# KiCad board accelerator.kicad_pcb
title: accelerator; date: 2024-06-08; rev: v1.0.0
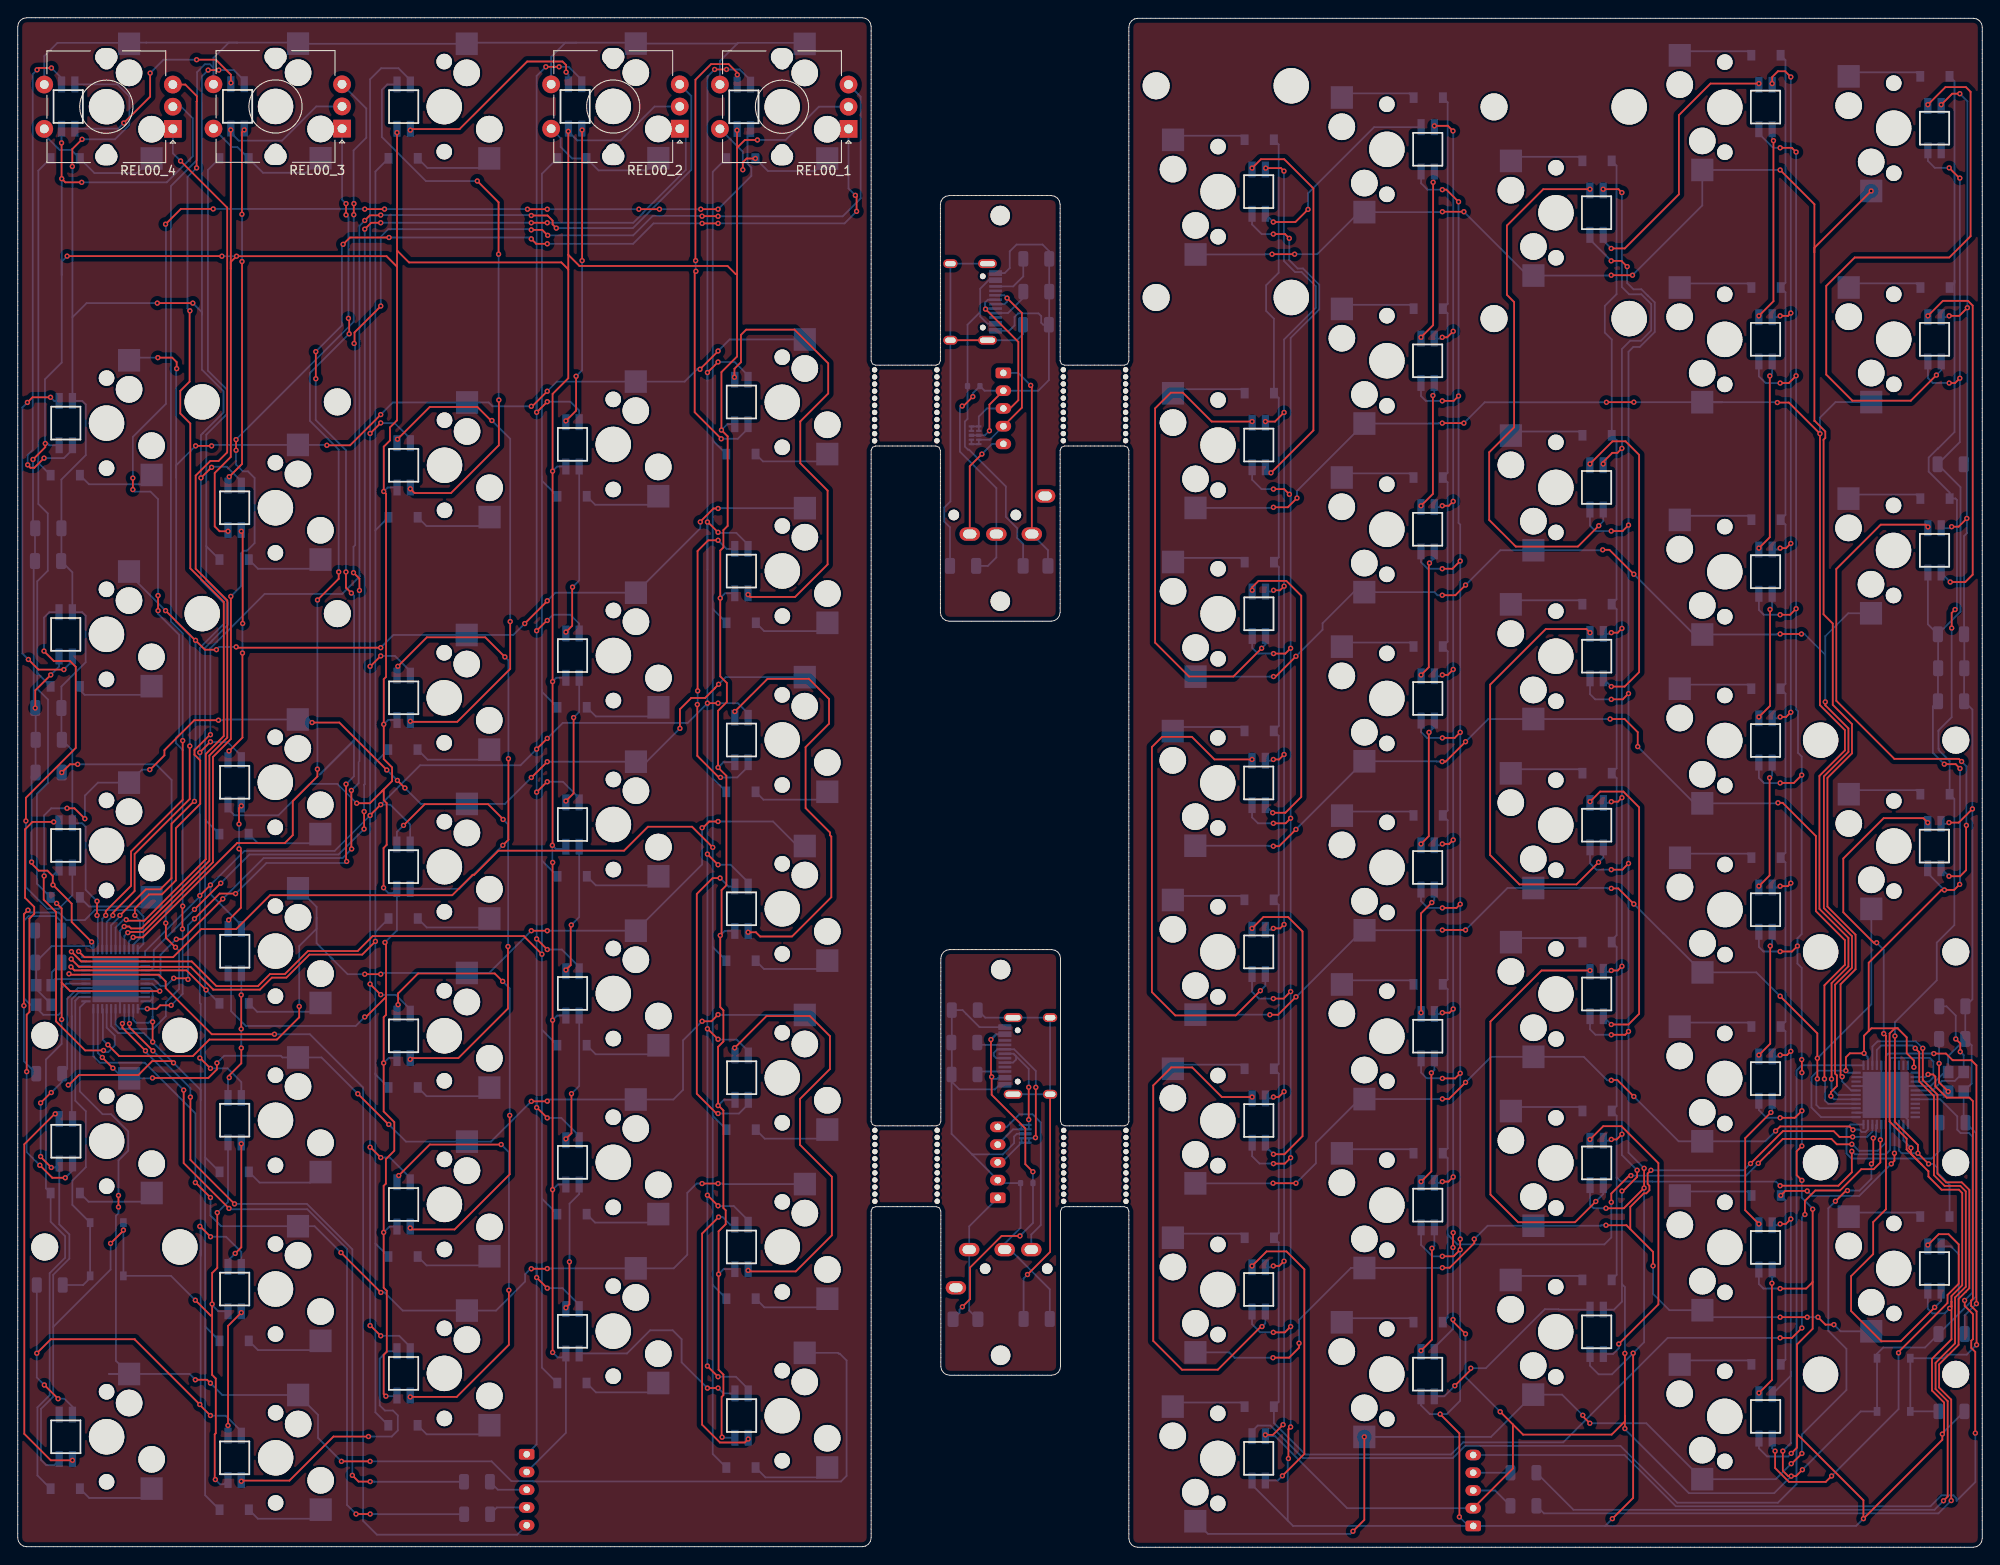
[diagram p0: board, top side]
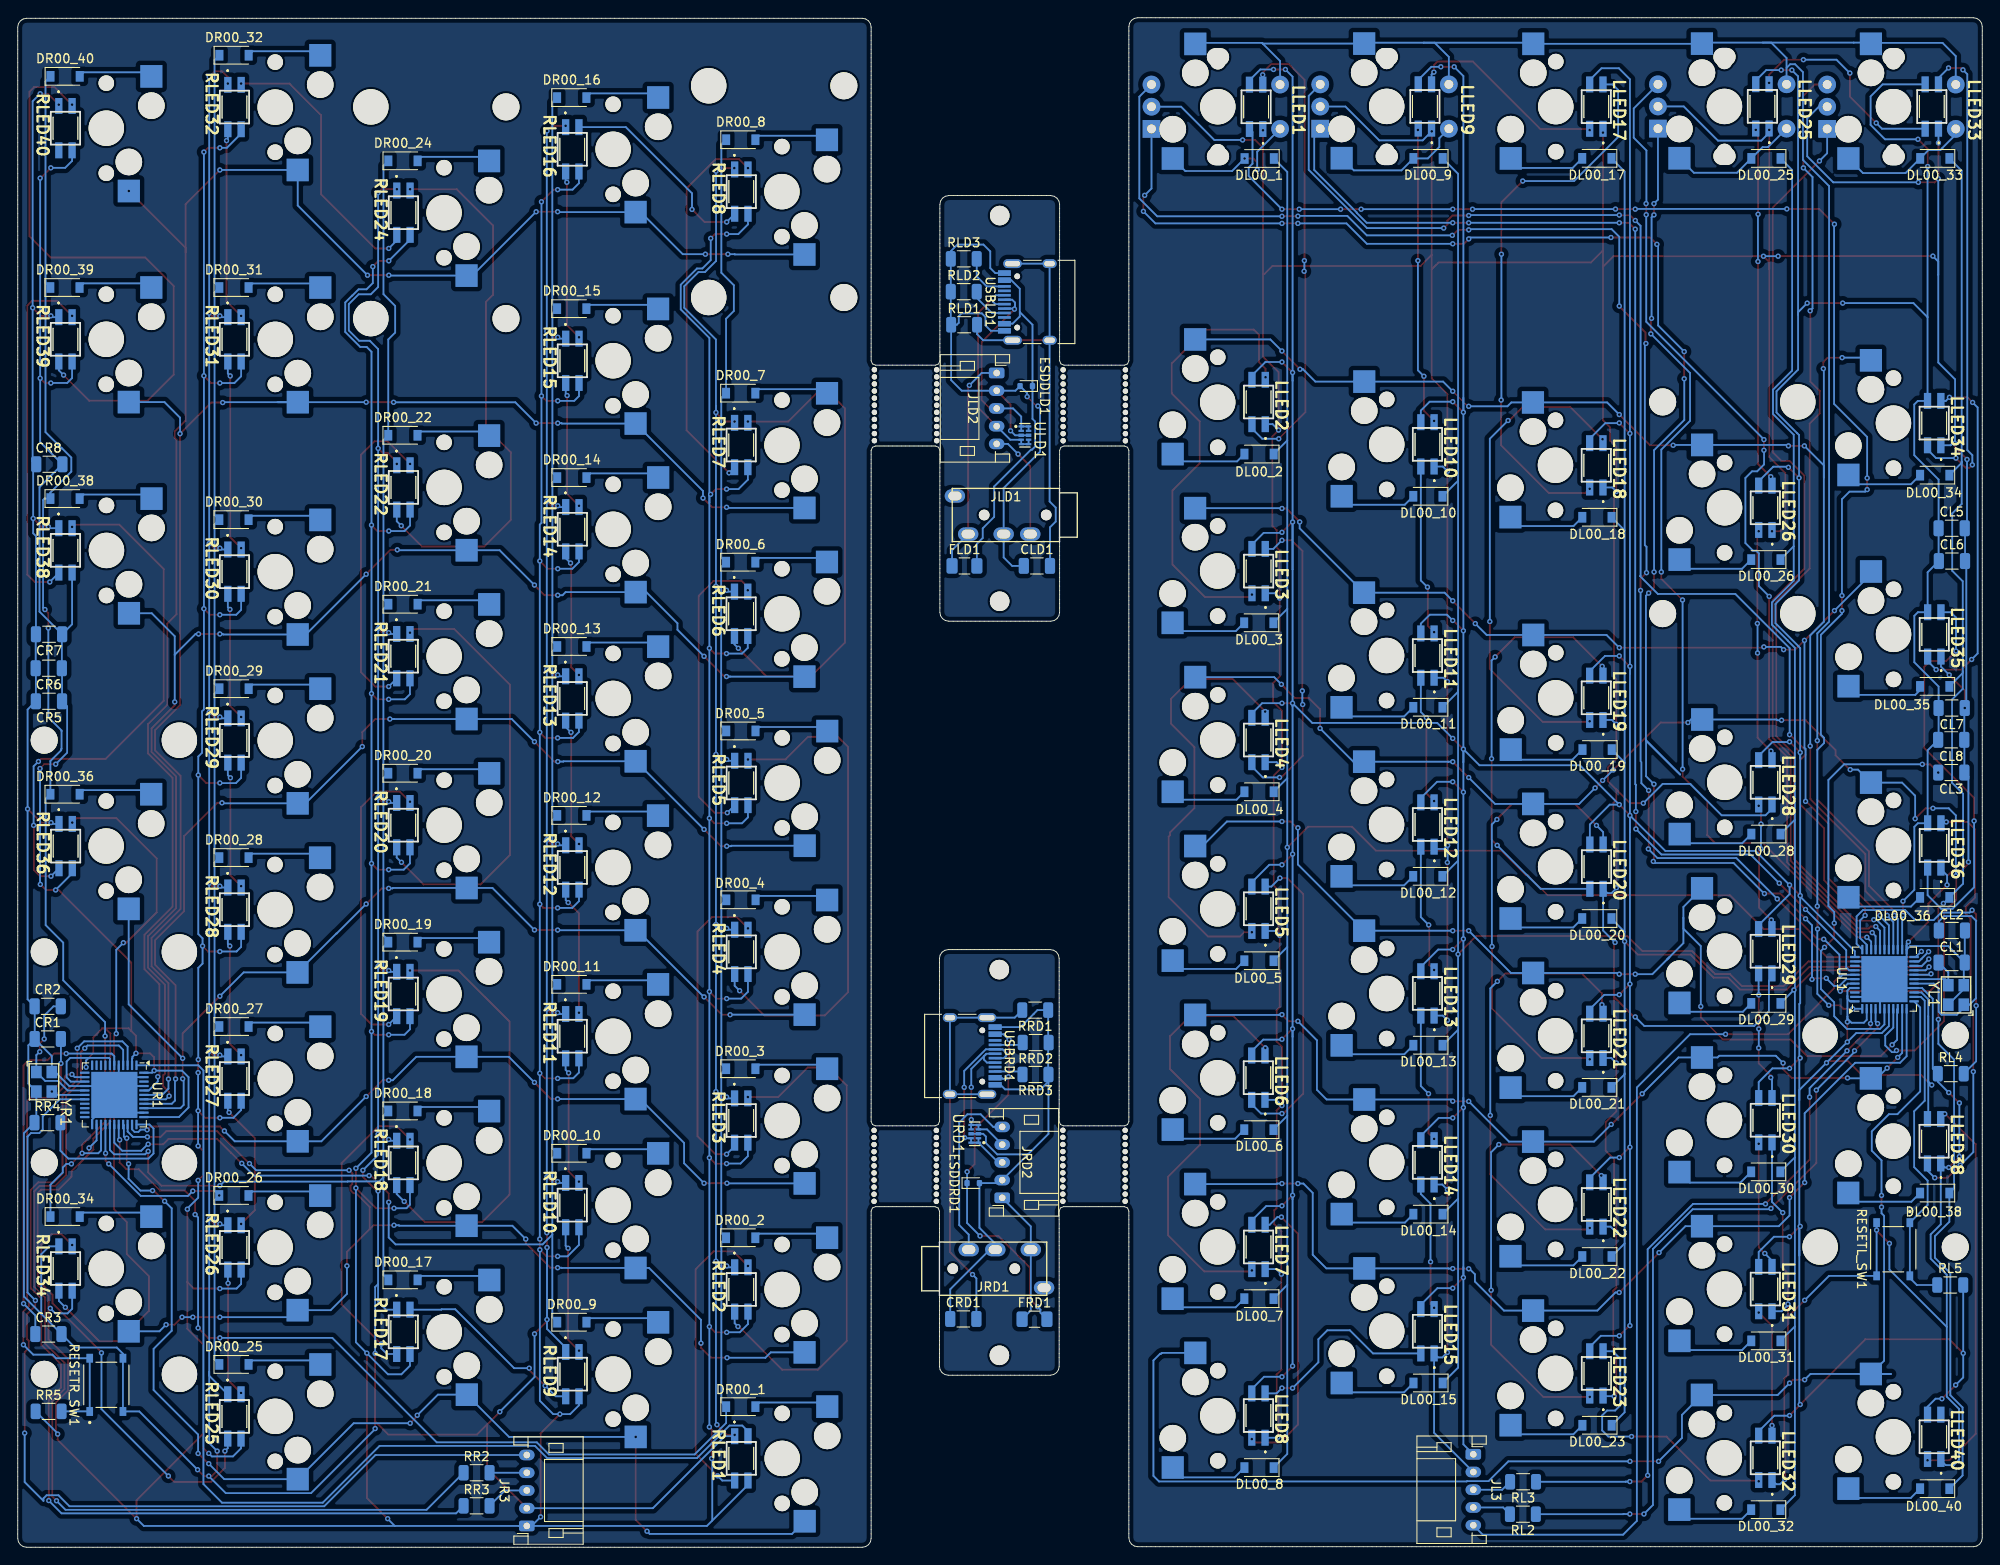
[diagram p1: board, bottom side, seen from below]

Outline 221.52 x 172.49 mm; copper layers: Top, Bottom. Coordinates in mm from the lower left corner of the outline.
Outline path: 0,171.49 0.08,171.88 0.29,172.2 0.62,172.42 1,172.49 95.23,172.49 95.61,172.42 95.94,172.2 96.15,171.88 96.23,171.49 96.23,133.81 96.38,133.46 96.73,133.31 103.54,133.31 103.89,133.46 104.04,133.81 104.04,151.44 104.11,151.82 104.33,152.14 104.66,152.36 105.04,152.44 116.54,152.44 116.92,152.36 117.25,152.14 117.46,151.82 117.54,151.44 117.54,133.81 117.68,133.46 118.04,133.31 124.79,133.31 125.14,133.46 125.29,133.81 125.29,171.43 125.37,171.81 125.58,172.14 125.91,172.35 126.29,172.43 220.52,172.43 220.9,172.35 221.06,172.25 221.23,172.14 221.45,171.81 221.52,171.43 221.52,1 221.45,0.62 221.23,0.29 220.9,0.08 220.52,0 126.29,0 125.91,0.08 125.58,0.29 125.37,0.62 125.29,1 125.29,37.91 125.14,38.26 124.79,38.41 118.09,38.41 117.73,38.26 117.59,37.91 117.59,20.4 117.51,20.02 117.3,19.7 116.97,19.48 116.59,19.4 105.09,19.4 104.71,19.48 104.38,19.7 104.16,20.02 104.09,20.4 104.09,37.91 103.94,38.26 103.59,38.41 96.73,38.41 96.38,38.26 96.23,37.91 96.23,1.06 96.15,0.68 95.94,0.35 95.61,0.14 95.23,0.06 1,0.06 0.62,0.14 0.29,0.35 0.08,0.68 0,1.06 0,171.49 ; 96.23,123.7 96.23,48.02 96.38,47.67 96.73,47.52 103.59,47.52 103.94,47.67 104.09,48.02 104.09,66.4 104.16,66.79 104.38,67.11 104.71,67.33 105.09,67.4 116.59,67.4 116.97,67.33 117.3,67.11 117.51,66.79 117.59,66.4 117.59,48.02 117.73,47.67 118.09,47.52 124.79,47.52 125.14,47.67 125.29,48.02 125.29,123.7 125.14,124.05 124.79,124.2 118.04,124.2 117.68,124.05 117.54,123.7 117.54,105.44 117.46,105.05 117.25,104.73 116.92,104.51 116.54,104.44 105.04,104.44 104.66,104.51 104.33,104.73 104.11,105.05 104.04,105.44 104.04,123.7 103.89,124.05 103.54,124.2 96.73,124.2 96.38,124.05 96.23,123.7

## Placement (name value [footprint] x y rotation side)
BITE01  bites  [mousebites]  96.62 128.78 90 top
BITE02  bites  [mousebites]  103.64 128.79 90 top
BITE03  bites  [mousebites]  117.9 128.79 90 top
BITE04  bites  [mousebites]  124.92 128.8 90 top
BITE05  bites  [mousebites]  96.65 43.02 90 top
BITE06  bites  [mousebites]  103.67 43.03 90 top
BITE07  bites  [mousebites]  117.94 43.01 90 top
BITE08  bites  [mousebites]  124.96 43.02 90 top
CL1  22pF  [C_1206_3216Metric]  3.45 65.94 0 bottom
CL2  22pF  [C_1206_3216Metric]  3.42 69.56 180 bottom
CL3  1μF  [C_1206_3216Metric]  3.49 87.37 180 bottom
CL5  0.1μF  [C_1206_3216Metric]  3.45 114.92 180 bottom
CL6  0.1μF  [C_1206_3216Metric]  3.42 111.22 180 bottom
CL7  0.1μF  [C_1206_3216Metric]  3.45 94.65 180 bottom
CL8  10μF  [C_1206_3216Metric]  3.5 91.06 180 bottom
CLD1  4.7μF  [C_1206_3216Metric]  106.6 110.67 180 bottom
CR1  22pF  [C_1206_3216Metric]  218.13 57.33 180 bottom
CR2  22pF  [C_1206_3216Metric]  218.14 61.01 0 bottom
CR3  1μF  [C_1206_3216Metric]  218.06 24.05 180 bottom
CR5  0.1μF  [C_1206_3216Metric]  218 95.41 0 bottom
CR6  0.1μF  [C_1206_3216Metric]  218.02 99.14 0 bottom
CR7  0.1μF  [C_1206_3216Metric]  217.99 102.97 0 bottom
CR8  10μF  [C_1206_3216Metric]  217.96 122.14 0 bottom
CRD1  4.7μF  [C_1206_3216Metric]  114.9 25.75 180 bottom
DL00_1  D  [D_SOD-123-Pretty]  81.53 156.62 0 bottom
DL00_2  D  [D_SOD-123-Pretty]  81.55 123.29 0 bottom
DL00_3  D  [D_SOD-123-Pretty]  81.58 104.26 0 bottom
DL00_4  D  [D_SOD-123-Pretty]  81.55 85.2 0 bottom
DL00_5  D  [D_SOD-123-Pretty]  81.56 66.15 0 bottom
DL00_6  D  [D_SOD-123-Pretty]  81.57 47.1 0 bottom
DL00_7  D  [D_SOD-123-Pretty]  81.56 28.04 0 bottom
DL00_8  D  [D_SOD-123-Pretty]  81.55 8.99 0 bottom
DL00_9  D  [D_SOD-123-Pretty]  62.49 156.63 0 bottom
DL00_10  D  [D_SOD-123-Pretty]  62.51 118.53 0 bottom
DL00_11  D  [D_SOD-123-Pretty]  62.51 94.73 0 bottom
DL00_12  D  [D_SOD-123-Pretty]  62.52 75.67 0 bottom
DL00_13  D  [D_SOD-123-Pretty]  62.5 56.62 0 bottom
DL00_14  D  [D_SOD-123-Pretty]  62.5 37.57 0 bottom
DL00_15  D  [D_SOD-123-Pretty]  62.49 18.53 0 bottom
DL00_17  D  [D_SOD-123-Pretty]  43.46 156.64 0 bottom
DL00_18  D  [D_SOD-123-Pretty]  43.45 116.16 0 bottom
DL00_19  D  [D_SOD-123-Pretty]  43.43 89.96 0 bottom
DL00_20  D  [D_SOD-123-Pretty]  43.46 70.91 0 bottom
DL00_21  D  [D_SOD-123-Pretty]  43.46 51.86 0 bottom
DL00_22  D  [D_SOD-123-Pretty]  43.45 32.79 0 bottom
DL00_23  D  [D_SOD-123-Pretty]  43.44 13.76 0 bottom
DL00_25  D  [D_SOD-123-Pretty]  24.39 156.63 0 bottom
DL00_26  D  [D_SOD-123-Pretty]  24.4 111.39 0 bottom
DL00_28  D  [D_SOD-123-Pretty]  24.39 80.43 0 bottom
DL00_29  D  [D_SOD-123-Pretty]  24.4 61.34 0 bottom
DL00_30  D  [D_SOD-123-Pretty]  24.41 42.34 0 bottom
DL00_31  D  [D_SOD-123-Pretty]  24.4 23.28 0 bottom
DL00_32  D  [D_SOD-123-Pretty]  24.41 4.24 0 bottom
DL00_33  D  [D_SOD-123-Pretty]  5.35 156.63 0 bottom
DL00_34  D  [D_SOD-123-Pretty]  5.36 120.91 0 bottom
DL00_35  D  [D_SOD-123-Pretty]  5.36 97.09 0 bottom
DL00_36  D  [D_SOD-123-Pretty]  5.36 73.29 0 bottom
DL00_38  D  [D_SOD-123-Pretty]  5.36 39.95 0 bottom
DL00_40  D  [D_SOD-123-Pretty]  5.36 6.61 0 bottom
DR00_1  D  [D_SOD-123-Pretty]  139.99 15.86 180 bottom
DR00_2  D  [D_SOD-123-Pretty]  140 34.91 180 bottom
DR00_3  D  [D_SOD-123-Pretty]  139.99 53.97 180 bottom
DR00_4  D  [D_SOD-123-Pretty]  139.97 73.02 180 bottom
DR00_5  D  [D_SOD-123-Pretty]  139.98 92.07 180 bottom
DR00_6  D  [D_SOD-123-Pretty]  140 111.1 180 bottom
DR00_7  D  [D_SOD-123-Pretty]  140 130.16 180 bottom
DR00_8  D  [D_SOD-123-Pretty]  139.99 158.74 180 bottom
DR00_9  D  [D_SOD-123-Pretty]  159.04 25.39 180 bottom
DR00_10  D  [D_SOD-123-Pretty]  159.04 44.44 180 bottom
DR00_11  D  [D_SOD-123-Pretty]  159.04 63.49 180 bottom
DR00_12  D  [D_SOD-123-Pretty]  159.04 82.54 180 bottom
DR00_13  D  [D_SOD-123-Pretty]  159.04 101.59 180 bottom
DR00_14  D  [D_SOD-123-Pretty]  159.04 120.64 180 bottom
DR00_15  D  [D_SOD-123-Pretty]  159.05 139.69 180 bottom
DR00_16  D  [D_SOD-123-Pretty]  159.05 163.49 180 bottom
DR00_17  D  [D_SOD-123-Pretty]  178.08 30.16 180 bottom
DR00_18  D  [D_SOD-123-Pretty]  178.09 49.21 180 bottom
DR00_19  D  [D_SOD-123-Pretty]  178.09 68.25 180 bottom
DR00_20  D  [D_SOD-123-Pretty]  178.09 87.3 180 bottom
DR00_21  D  [D_SOD-123-Pretty]  178.08 106.36 180 bottom
DR00_22  D  [D_SOD-123-Pretty]  178.09 125.41 180 bottom
DR00_24  D  [D_SOD-123-Pretty]  178.08 156.36 180 bottom
DR00_25  D  [D_SOD-123-Pretty]  197.14 20.63 180 bottom
DR00_26  D  [D_SOD-123-Pretty]  197.15 39.68 180 bottom
DR00_27  D  [D_SOD-123-Pretty]  197.14 58.73 180 bottom
DR00_28  D  [D_SOD-123-Pretty]  197.14 77.78 180 bottom
DR00_29  D  [D_SOD-123-Pretty]  197.13 96.83 180 bottom
DR00_30  D  [D_SOD-123-Pretty]  197.14 115.89 180 bottom
DR00_31  D  [D_SOD-123-Pretty]  197.14 142.07 180 bottom
DR00_32  D  [D_SOD-123-Pretty]  197.13 168.27 180 bottom
DR00_34  D  [D_SOD-123-Pretty]  216.18 37.3 180 bottom
DR00_36  D  [D_SOD-123-Pretty]  216.19 84.93 180 bottom
DR00_38  D  [D_SOD-123-Pretty]  216.19 118.27 180 bottom
DR00_39  D  [D_SOD-123-Pretty]  216.2 142.07 180 bottom
DR00_40  D  [D_SOD-123-Pretty]  216.18 165.89 180 bottom
ESDDLD1  ESD5Z5V0  [D_SOD-523]  107.8 130.95 0 bottom
ESDDRD1  ESD5Z5V0  [D_SOD-523]  113.78 41.07 180 bottom
FLD1  SMD0805-050-16V  [Fuse_1206_3216Metric]  114.77 110.67 0 bottom
FRD1  SMD0805-050-16V  [Fuse_1206_3216Metric]  106.87 25.72 0 bottom
HOLE01  -  [MountingHole_2.2mm_M2]  110.79 150.18 270 bottom
HOLE02  -  [MountingHole_2.2mm_M2]  110.8 106.68 270 bottom
HOLE03  -  [MountingHole_2.2mm_M2]  110.84 65.15 270 bottom
HOLE04  -  [MountingHole_2.2mm_M2]  110.83 21.65 270 bottom
JL3  Conn_01x05_Pin  [JST_PH_S5B-PH-K_1x05_P2.00mm_Horizontal]  57.39 10.49 270 bottom
JLD1  -  [MJ-4PP-9]  110.1 116.36 0 bottom
JLD2  Conn_01x05_Pin  [JST_PH_S5B-PH-K_1x05_P2.00mm_Horizontal]  111.14 132.43 270 bottom
JR3  Conn_01x05_Pin  [JST_PH_S5B-PH-K_1x05_P2.00mm_Horizontal]  164.12 2.41 90 bottom
JRD1  -  [MJ-4PP-9]  111.54 31.47 180 bottom
JRD2  Conn_01x05_Pin  [JST_PH_S5B-PH-K_1x05_P2.00mm_Horizontal]  110.51 39.41 90 bottom
LLED1  SK6812MINI-E  [SK6812MINIE]  81.88 162.45 270 top
LLED2  SK6812MINI-E  [SK6812MINIE]  81.6 129.16 270 top
LLED3  SK6812MINI-E  [SK6812MINIE]  81.6 110.09 270 top
LLED4  SK6812MINI-E  [SK6812MINIE]  81.61 91.04 270 top
LLED5  SK6812MINI-E  [SK6812MINIE]  81.61 72.01 270 top
LLED6  SK6812MINI-E  [SK6812MINIE]  81.63 52.96 270 top
LLED7  SK6812MINI-E  [SK6812MINIE]  81.61 33.87 270 top
LLED8  SK6812MINI-E  [SK6812MINIE]  81.62 14.85 270 top
LLED9  SK6812MINI-E  [SK6812MINIE]  62.85 162.49 270 top
LLED10  SK6812MINI-E  [SK6812MINIE]  62.56 124.38 270 top
LLED11  SK6812MINI-E  [SK6812MINIE]  62.56 100.56 270 top
LLED12  SK6812MINI-E  [SK6812MINIE]  62.56 81.51 270 top
LLED13  SK6812MINI-E  [SK6812MINIE]  62.56 62.46 270 top
LLED14  SK6812MINI-E  [SK6812MINIE]  62.56 43.41 270 top
LLED15  SK6812MINI-E  [SK6812MINIE]  62.56 24.36 270 top
LLED17  SK6812MINI-E  [SK6812MINIE]  43.52 162.47 270 top
LLED18  SK6812MINI-E  [SK6812MINIE]  43.52 122.02 270 top
LLED19  SK6812MINI-E  [SK6812MINIE]  43.52 95.8 270 top
LLED20  SK6812MINI-E  [SK6812MINIE]  43.5 76.76 270 top
LLED21  SK6812MINI-E  [SK6812MINIE]  43.51 57.68 270 top
LLED22  SK6812MINI-E  [SK6812MINIE]  43.51 38.66 270 top
LLED23  SK6812MINI-E  [SK6812MINIE]  43.51 19.61 270 top
LLED25  SK6812MINI-E  [SK6812MINIE]  24.79 162.5 270 top
LLED26  SK6812MINI-E  [SK6812MINIE]  24.46 117.23 270 top
LLED28  SK6812MINI-E  [SK6812MINIE]  24.46 86.27 270 top
LLED29  SK6812MINI-E  [SK6812MINIE]  24.47 67.22 270 top
LLED30  SK6812MINI-E  [SK6812MINIE]  24.46 48.16 270 top
LLED31  SK6812MINI-E  [SK6812MINIE]  24.46 29.12 270 top
LLED32  SK6812MINI-E  [SK6812MINIE]  24.46 10.09 270 top
LLED33  SK6812MINI-E  [SK6812MINIE]  5.69 162.48 270 top
LLED34  SK6812MINI-E  [SK6812MINIE]  5.42 126.78 270 top
LLED35  SK6812MINI-E  [SK6812MINIE]  5.41 102.95 270 top
LLED36  SK6812MINI-E  [SK6812MINIE]  5.41 79.15 270 top
LLED38  SK6812MINI-E  [SK6812MINIE]  5.43 45.79 270 top
LLED40  SK6812MINI-E  [SK6812MINIE]  5.42 12.46 270 top
REL00_1  EncSW  [RotaryEncoder_Alps_EC12E-Switch_Vertical_H20mm]  93.68 159.96 180 top
REL00_2  EncSW  [RotaryEncoder_Alps_EC12E-Switch_Vertical_H20mm]  74.65 159.98 180 top
REL00_3  EncSW  [RotaryEncoder_Alps_EC12E-Switch_Vertical_H20mm]  36.57 159.99 180 top
REL00_4  EncSW  [RotaryEncoder_Alps_EC12E-Switch_Vertical_H20mm]  17.49 159.96 180 top
RESETL_SW1  TS-1187A-B-A-B  [SW_TS-1187A-B-A-B]  10.04 33.61 270 bottom
RESETR_SW1  TS-1187A-B-A-B  [SW_TS-1187A-B-A-B]  211.53 18.32 90 bottom
RL2  22  [R_1206_3216Metric]  51.8 3.73 0 bottom
RL3  22  [R_1206_3216Metric]  51.78 7.39 0 bottom
RL4  10k  [R_1206_3216Metric]  3.55 53.41 180 bottom
RL5  10k  [R_1206_3216Metric]  3.61 29.58 0 bottom
RLD1  1M  [R_1206_3216Metric]  114.81 137.87 180 bottom
RLD2  5.1k  [R_1206_3216Metric]  114.85 141.6 180 bottom
RLD3  5.1k  [R_1206_3216Metric]  114.85 145.3 180 bottom
RLED1  SK6812MINI-E  [SK6812MINIE]  139.93 10.03 90 top
RLED2  SK6812MINI-E  [SK6812MINIE]  139.93 29.08 90 top
RLED3  SK6812MINI-E  [SK6812MINIE]  139.94 48.13 90 top
RLED4  SK6812MINI-E  [SK6812MINIE]  139.93 67.15 90 top
RLED5  SK6812MINI-E  [SK6812MINIE]  139.93 86.2 90 top
RLED6  SK6812MINI-E  [SK6812MINIE]  139.95 105.28 90 top
RLED7  SK6812MINI-E  [SK6812MINIE]  139.94 124.3 90 top
RLED8  SK6812MINI-E  [SK6812MINIE]  139.93 152.88 90 top
RLED9  SK6812MINI-E  [SK6812MINIE]  158.98 19.53 90 top
RLED10  SK6812MINI-E  [SK6812MINIE]  158.99 38.59 90 top
RLED11  SK6812MINI-E  [SK6812MINIE]  158.99 57.64 90 top
RLED12  SK6812MINI-E  [SK6812MINIE]  158.98 76.67 90 top
RLED13  SK6812MINI-E  [SK6812MINIE]  158.99 95.73 90 top
RLED14  SK6812MINI-E  [SK6812MINIE]  158.98 114.81 90 top
RLED15  SK6812MINI-E  [SK6812MINIE]  158.98 133.8 90 top
RLED16  SK6812MINI-E  [SK6812MINIE]  158.99 157.65 90 top
RLED17  SK6812MINI-E  [SK6812MINIE]  178.04 24.3 90 top
RLED18  SK6812MINI-E  [SK6812MINIE]  178.04 43.34 90 top
RLED19  SK6812MINI-E  [SK6812MINIE]  178.04 62.4 90 top
RLED20  SK6812MINI-E  [SK6812MINIE]  178.04 81.43 90 top
RLED21  SK6812MINI-E  [SK6812MINIE]  178.04 100.49 90 top
RLED22  SK6812MINI-E  [SK6812MINIE]  178.03 119.53 90 top
RLED24  SK6812MINI-E  [SK6812MINIE]  178.03 150.51 90 top
RLED25  SK6812MINI-E  [SK6812MINIE]  197.09 14.76 90 top
RLED26  SK6812MINI-E  [SK6812MINIE]  197.08 33.82 90 top
RLED27  SK6812MINI-E  [SK6812MINIE]  197.08 52.86 90 top
RLED28  SK6812MINI-E  [SK6812MINIE]  197.08 71.91 90 top
RLED29  SK6812MINI-E  [SK6812MINIE]  197.08 90.99 90 top
RLED30  SK6812MINI-E  [SK6812MINIE]  197.08 110.03 90 top
RLED31  SK6812MINI-E  [SK6812MINIE]  197.08 136.23 90 top
RLED32  SK6812MINI-E  [SK6812MINIE]  197.08 162.42 90 top
RLED34  SK6812MINI-E  [SK6812MINIE]  216.13 31.44 90 top
RLED36  SK6812MINI-E  [SK6812MINIE]  216.12 79.08 90 top
RLED38  SK6812MINI-E  [SK6812MINIE]  216.14 112.42 90 top
RLED39  SK6812MINI-E  [SK6812MINIE]  216.14 136.23 90 top
RLED40  SK6812MINI-E  [SK6812MINIE]  216.14 160.04 90 top
RR2  22  [R_1206_3216Metric]  169.78 8.41 180 bottom
RR3  22  [R_1206_3216Metric]  169.78 4.68 180 bottom
RR4  10k  [R_1206_3216Metric]  218.17 47.89 180 bottom
RR5  10k  [R_1206_3216Metric]  218.04 15.33 180 bottom
RRD1  1M  [R_1206_3216Metric]  106.79 60.58 0 bottom
RRD2  5.1k  [R_1206_3216Metric]  106.74 56.92 0 bottom
RRD3  5.1k  [R_1206_3216Metric]  106.76 53.32 0 bottom
SWL00_1  SW_Push  [MXOnly-1U-Hotswap]  86.2 162.46 270 top
SWL00_2  SW_Push  [MXOnly-1U-Hotswap]  86.21 129.13 270 top
SWL00_3  SW_Push  [MXOnly-1U-Hotswap]  86.22 110.1 270 top
SWL00_4  SW_Push  [MXOnly-1U-Hotswap]  86.21 91.04 270 top
SWL00_5  SW_Push  [MXOnly-1U-Hotswap]  86.21 72 270 top
SWL00_6  SW_Push  [MXOnly-1U-Hotswap]  86.21 52.95 270 top
SWL00_7  SW_Push  [MXOnly-1U-Hotswap]  86.22 33.87 270 top
SWL00_8  SW_Push  [MXOnly-1U-Hotswap]  86.2 14.84 270 top
SWL00_9  SW_Push  [MXOnly-1U-Hotswap]  67.16 162.49 270 top
SWL00_10  SW_Push  [MXOnly-1.5U-Hotswap]  67.15 124.37 270 top
SWL00_11  SW_Push  [MXOnly-1U-Hotswap]  67.17 100.57 270 top
SWL00_12  SW_Push  [MXOnly-1U-Hotswap]  67.17 81.51 270 top
SWL00_13  SW_Push  [MXOnly-1U-Hotswap]  67.16 62.45 270 top
SWL00_14  SW_Push  [MXOnly-1U-Hotswap]  67.15 43.41 270 top
SWL00_15  SW_Push  [MXOnly-1U-Hotswap]  67.15 24.37 270 top
SWL00_17  SW_Push  [MXOnly-1U-Hotswap]  48.09 162.47 270 top
SWL00_18  SW_Push  [MXOnly-1.75U-Hotswap]  48.13 122.02 270 top
SWL00_19  SW_Push  [MXOnly-1U-Hotswap]  48.09 95.8 270 top
SWL00_20  SW_Push  [MXOnly-1U-Hotswap]  48.11 76.75 270 top
SWL00_21  SW_Push  [MXOnly-1U-Hotswap]  48.11 57.68 270 top
SWL00_22  SW_Push  [MXOnly-1U-Hotswap]  48.12 38.66 270 top
SWL00_23  SW_Push  [MXOnly-1U-Hotswap]  48.11 19.61 270 top
SWL00_25  SW_Push  [MXOnly-1U-Hotswap]  29.07 162.49 270 top
SWL00_26  SW_Push  [MXOnly-2.25U-Hotswap]  29.05 117.23 270 top
SWL00_28  SW_Push  [MXOnly-1U-Hotswap]  29.04 86.27 270 top
SWL00_29  SW_Push  [MXOnly-1U-Hotswap]  29.06 67.23 270 top
SWL00_30  SW_Push  [MXOnly-1U-Hotswap]  29.07 48.15 270 top
SWL00_31  SW_Push  [MXOnly-1U-Hotswap]  29.07 29.12 270 top
SWL00_32  SW_Push  [MXOnly-1U-Hotswap]  29.08 10.09 270 top
SWL00_33  SW_Push  [MXOnly-1U-Hotswap]  10.02 162.46 270 top
SWL00_34  SW_Push  [MXOnly-1.25U-Hotswap]  10.02 126.77 270 top
SWL00_35  SW_Push  [MXOnly-1.25U-Hotswap]  10.01 102.95 270 top
SWL00_36  SW_Push  [MXOnly-1.25U-Hotswap]  10.01 79.15 270 top
SWL00_38  SW_Push  [MXOnly-2.25U-Hotswap-ReversedStabilizers]  10.03 45.8 270 top
SWL00_40  SW_Push  [MXOnly-1.25U-Hotswap]  10.02 12.46 270 top
SWR00_1  SW_Push  [MXOnly-1U-Hotswap]  135.32 10.02 90 top
SWR00_2  SW_Push  [MXOnly-1U-Hotswap]  135.34 29.07 90 top
SWR00_3  SW_Push  [MXOnly-1U-Hotswap]  135.33 48.12 90 top
SWR00_4  SW_Push  [MXOnly-1U-Hotswap]  135.33 67.15 90 top
SWR00_5  SW_Push  [MXOnly-1U-Hotswap]  135.32 86.2 90 top
SWR00_6  SW_Push  [MXOnly-1U-Hotswap]  135.35 105.27 90 top
SWR00_7  SW_Push  [MXOnly-1U-Hotswap]  135.35 124.3 90 top
SWR00_8  SW_Push  [MXOnly-2U-Hotswap]  135.35 152.88 90 top
SWR00_9  SW_Push  [MXOnly-1U-Hotswap]  154.38 19.53 90 top
SWR00_10  SW_Push  [MXOnly-1U-Hotswap]  154.39 38.58 90 top
SWR00_11  SW_Push  [MXOnly-1U-Hotswap]  154.39 57.63 90 top
SWR00_12  SW_Push  [MXOnly-1U-Hotswap]  154.41 76.67 90 top
SWR00_13  SW_Push  [MXOnly-1U-Hotswap]  154.39 95.73 90 top
SWR00_14  SW_Push  [MXOnly-1U-Hotswap]  154.38 114.8 90 top
SWR00_15  SW_Push  [MXOnly-1U-Hotswap]  154.39 133.81 90 top
SWR00_16  SW_Push  [MXOnly-1.5U-Hotswap]  154.39 157.66 90 top
SWR00_17  SW_Push  [MXOnly-1U-Hotswap]  173.43 24.3 90 top
SWR00_18  SW_Push  [MXOnly-1U-Hotswap]  173.45 43.35 90 top
SWR00_19  SW_Push  [MXOnly-1U-Hotswap]  173.46 62.4 90 top
SWR00_20  SW_Push  [MXOnly-1U-Hotswap]  173.44 81.44 90 top
SWR00_21  SW_Push  [MXOnly-1U-Hotswap]  173.44 100.49 90 top
SWR00_22  SW_Push  [MXOnly-1U-Hotswap]  173.45 119.53 90 top
SWR00_24  SW_Push  [MXOnly-2.25U-Hotswap]  173.45 150.5 90 top
SWR00_25  SW_Push  [MXOnly-1U-Hotswap]  192.49 14.77 90 top
SWR00_26  SW_Push  [MXOnly-1U-Hotswap]  192.5 33.82 90 top
SWR00_27  SW_Push  [MXOnly-1U-Hotswap]  192.49 52.87 90 top
SWR00_28  SW_Push  [MXOnly-1U-Hotswap]  192.52 71.92 90 top
SWR00_29  SW_Push  [MXOnly-1U-Hotswap]  192.49 90.98 90 top
SWR00_30  SW_Push  [MXOnly-1U-Hotswap]  192.49 110.02 90 top
SWR00_31  SW_Push  [MXOnly-1.75U-Hotswap]  192.48 136.22 90 top
SWR00_32  SW_Push  [MXOnly-1U-Hotswap]  192.49 162.41 90 top
SWR00_34  SW_Push  [MXOnly-2.75U-Hotswap-ReversedStabilizers]  211.54 31.44 90 top
SWR00_36  SW_Push  [MXOnly-2.25U-Hotswap-ReversedStabilizers]  211.55 79.08 90 top
SWR00_38  SW_Push  [MXOnly-1.25U-Hotswap]  211.52 112.42 90 top
SWR00_39  SW_Push  [MXOnly-1.25U-Hotswap]  211.54 136.23 90 top
SWR00_40  SW_Push  [MXOnly-1.25U-Hotswap]  211.54 160.04 90 top
UL1  ATmega32U4-M  [QFN-44-1EP_7x7mm_P0.5mm_EP5.2x5.2mm]  11.03 64.07 90 bottom
ULD1  TPD4E05U06DQAR  [USON-10_L2.5-W1.0-P0.50-BL]  107.95 125.4 270 bottom
UR1  ATmega32U4-M  [QFN-44-1EP_7x7mm_P0.5mm_EP5.2x5.2mm]  210.63 51.02 270 bottom
URD1  TPD4E05U06DQAR  [USON-10_L2.5-W1.0-P0.50-BL]  113.6 46.63 90 bottom
USBLD1  USB_C_Receptacle_USB2.0  [USB_C_Receptacle_HRO_TYPE-C-31-M-12]  106.22 140.44 90 bottom
USBRD1  USB_C_Receptacle_USB2.0  [USB_C_Receptacle_HRO_TYPE-C-31-M-12]  115.36 55.41 270 bottom
YL1  16Mhz  [OSC-SMD_4P-L3.2-W2.5-BL]  2.96 62.29 90 bottom
YR1  16Mhz  [OSC-SMD_4P-L3.2-W2.5-BL]  218.55 52.5 270 bottom

## Library data of the parts
CL1 CL2 CR1 CR2 = -: LCSC: C107174; ki_fp_filters: C_*
CL3 CR3 = -: LCSC: C1848; ki_fp_filters: C_*
CL5-CL7 CR5-CR7 = -: LCSC: C24497; ki_fp_filters: C_*
CL8 CR8 = -: LCSC: C13585; ki_fp_filters: C_*
CLD1 CRD1 = -: LCSC: C29823; ki_fp_filters: C_*
DL00_1-DL00_15 DL00_17-DL00_23 DL00_25 DL00_26 DL00_28-DL00_36 DL00_38 DL00_40 DR00_1-DR00_22 DR00_24-DR00_32 DR00_34 DR00_36 DR00_38-DR00_40 = -: Description: Diode; LCSC: C81598; Sim.Pins: 1=K 2=A; ki_fp_filters: TO-???* *_Diode_* *SingleDiode* D_*
ESDDLD1 ESDDRD1 = -: Datasheet: https://www.vishay.com/docs/88301/15ke.pdf; Description: 1500W unidirectional TVS diode, DO-201AE; Manufacturer: MDD; LCSC: C502546; Package: SOD-523; ki_fp_filters: D?DO?201AE*
FLD1 FRD1 = -: Manufacturer: TECHFUSE; LCSC: C2833485; Package: F0805; ki_fp_filters: *Fuse*
JL3 JLD2 JR3 JRD2 = -: Description: Generic connector, single row, 01x05, script generated; ki_fp_filters: Connector*:*_1x??_*
LLED1-LLED15 LLED17-LLED23 LLED25 LLED26 LLED28-LLED36 LLED38 LLED40 RLED1-RLED22 RLED24-RLED32 RLED34 RLED36 RLED38-RLED40 = -: Datasheet: http://yushakobo.jp/ds/YS-SK6812MINI-E.pdf; Description: 3.2x2.8x1.78 mm 0.2W Intelligent external control surface mount SMD LED (MSL:5a); Height: 1.88; Manufacturer_Name: Yellow Stone Corp.; LCSC: C5149201
REL00_1-REL00_4 = -: Description: Rotary encoder, dual channel, incremental quadrate outputs, with switch; ki_fp_filters: RotaryEncoder*Switch*
RESETL_SW1 RESETR_SW1 = -: Description: XKB Industrial Precision; MANUFACTURER: XKB Industrial Precision; PARTREV: A0; MAXIMUM_PACKAGE_HEIGHT: 1.5mm; STANDARD: Manufacturer Recommendations; LCSC: C318884
RL2 RL3 RR2 RR3 = -: LCSC: C17958; ki_fp_filters: R_*
RL4 RL5 RR4 RR5 = -: LCSC: C17928; ki_fp_filters: R_*
RLD1 RRD1 = -: LCSC: C2759631; ki_fp_filters: R_*
RLD2 RLD3 RRD2 RRD3 = -: LCSC: C964991; ki_fp_filters: R_*
SWL00_1-SWL00_15 SWL00_17-SWL00_23 SWL00_25 SWL00_26 SWL00_28-SWL00_36 SWL00_38 SWL00_40 SWR00_1-SWR00_22 SWR00_24-SWR00_32 SWR00_34 SWR00_36 SWR00_38-SWR00_40 = -: Description: Push button switch, generic, two pins; LCSC: C5156480
UL1 = -: Datasheet: http://ww1.microchip.com/downloads/en/DeviceDoc/Atmel-7766-8-bit-AVR-ATmega16U4-32U4_Datasheet.pdf; LCSC: C112161; ki_fp_filters: QFN*1EP*7x7mm*P0.5mm*
ULD1 URD1 = -: LCSC: C2836386
UR1 = -: Datasheet: http://ww1.microchip.com/downloads/en/DeviceDoc/Atmel-7766-8-bit-AVR-ATmega16U4-32U4_Datasheet.pdf; Description: 16MHz, 32kB Flash, 2.5kB SRAM, 1kB EEPROM, USB 2.0, QFN-44; LCSC: C112161; ki_fp_filters: QFN*1EP*7x7mm*P0.5mm*
USBLD1 USBRD1 = -: Datasheet: https://www.usb.org/sites/default/files/documents/usb_type-c.zip; Description: USB 2.0-only 16P Type-C Receptacle connector; LCSC: C165948; ki_fp_filters: USB*C*Receptacle*
YL1 YR1 = -: LCSC: C13738; ki_fp_filters: Crystal*
